# Altium PCB GenPulseBox.PcbDoc (part 1 of 3) (continued)
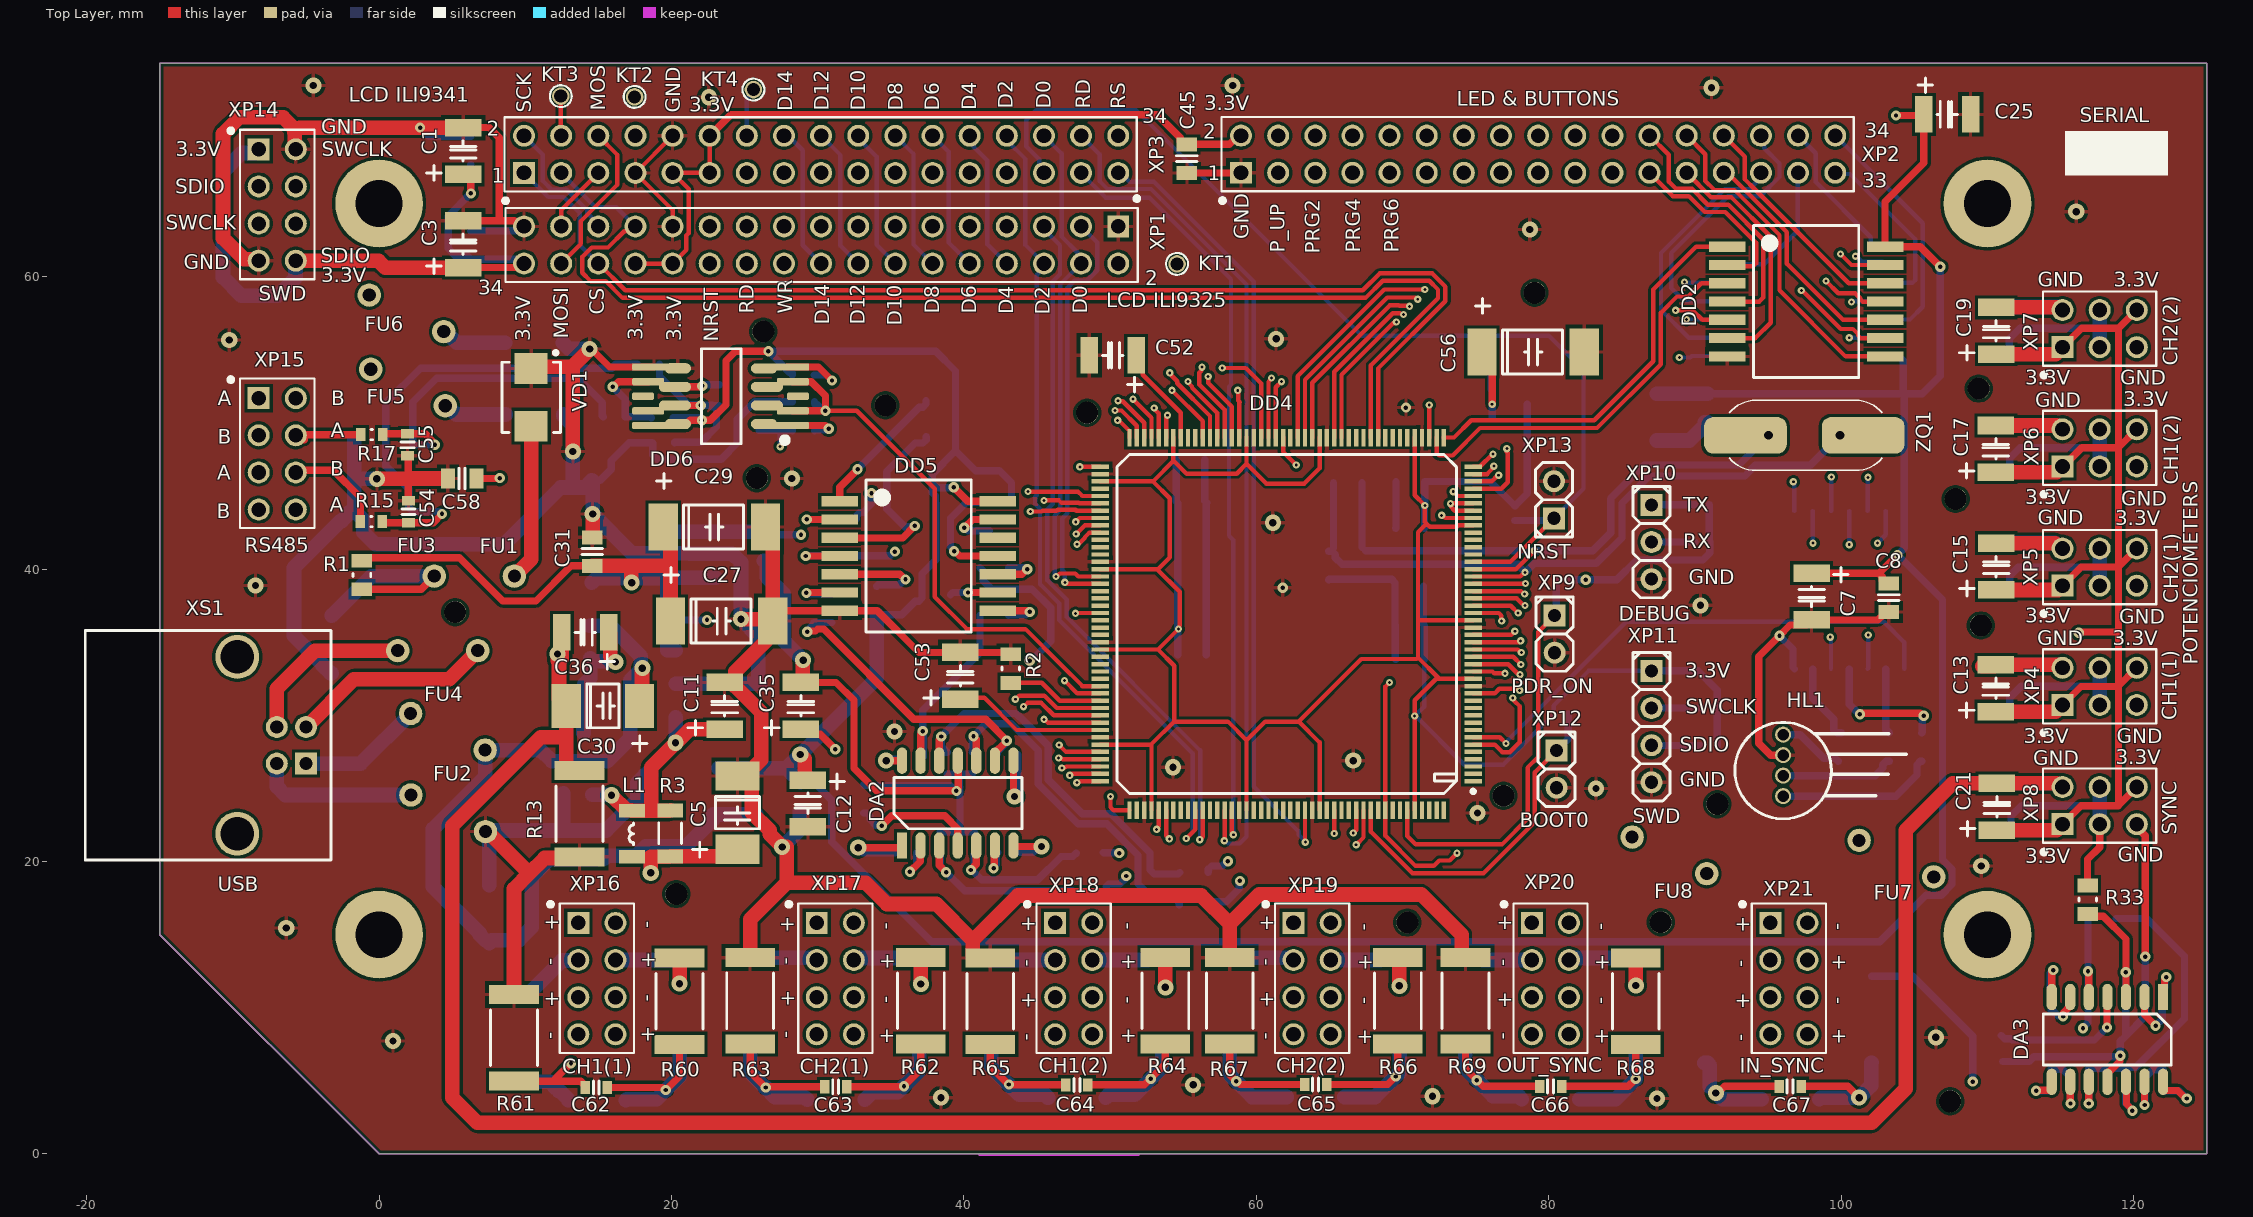
[diagram p0: Top Layer view]
## Components (designator, comment, footprint, x,y, rotation, side; value= is the part's Value field where it differs from the comment) (continued)
R41 "Resistor01" Res0603 119.45,5.1 r0 bottom value=10к
R42 "Resistor01" Res0603 42.475,42.621 r270 bottom value=10к
R43 "Resistor0125" Res0805 117.825,16.1 r90 bottom value=220к
R44 "Resistor01" Res0603 38.375,21.296 r180 bottom value=1,5к
R45 "Resistor01" Res0603 40.7,21.246 r180 bottom value=1,5к
R46 "Resistor01" Res0603 40.575,26.75 r0 bottom value=1,5к
R47 "Resistor01" Res0603 38.85,26.725 r0 bottom value=1,5к
R48 "Resistor01" Res0603 119.45,10.55 r0 bottom value=1,5к
R49 "Resistor01" Res0603 29.021,51.45 r270 bottom value=10к
R50 "Resistor01" Res0603 29.021,49.475 r270 bottom value=3,3к
R51 "Resistor01" Res0603 25.246,49.5 r270 bottom value=6,8к
R52 "Resistor01" Res0603 36.021,20.596 r90 bottom value=4,7к
R53 "Resistor01" Res0603 43.054,20.621 r270 bottom value=4,7к
R54 "Resistor01" Res0603 42.95,27.3 r270 bottom value=4,7к
R55 "Resistor01" Res0603 36.475,27.15 r90 bottom value=4,7к
R56 "Resistor01" Res0603 121.95,10.575 r0 bottom value=4,7к
R57 "Resistor01" Res0603 114.35,10.55 r180 bottom value=10к
R58 "Resistor01" Res0603 114.35,5.075 r0 bottom value=10к
R59 "Resistor01" Res0603 122,5.075 r0 bottom value=10к
R60 "Resistor1" Res2512 20.55,10.45 r0 top value=22
R61 "Resistor1" Res2512 9.225,7.95 r0 top value=22
R62 "Resistor1" Res2512 37.05,10.475 r0 top value=22
R63 "Resistor1" Res2512 25.375,10.475 r0 top value=22
R64 "Resistor1" Res2512 53.775,10.475 r0 top value=22
R65 "Resistor1" Res2512 41.8,10.45 r0 top value=22
R66 "Resistor1" Res2512 69.675,10.475 r0 top value=22
R67 "Resistor1" Res2512 58.175,10.475 r0 top value=22
R68 "Resistor1" Res2512 85.95,10.45 r0 top value=22
R69 "Resistor1" Res2512 74.3,10.475 r0 top value=22
R70 "Resistor1" Res2512 102.075,9.2 r180 bottom value=0,15
R71 "Resistor1" Res2512 90.65,9.175 r180 bottom value=0,15
R72 "Resistor0125" Res0805 103.3,27.825 r0 bottom value=1к
R73 "Resistor0125" Res0805 105.504,27.825 r0 bottom value=1к
R74 "Resistor0125" Res0805 99.8,27.825 r0 bottom value=1к
R75 "Resistor1" Res2512 20.55,10.45 r0 bottom value=22
R76 "Resistor1" Res2512 9.225,7.925 r0 bottom value=22
R77 "Resistor1" Res2512 37.05,10.45 r0 bottom value=22
R78 "Resistor1" Res2512 25.375,10.475 r0 bottom value=22
R79 "Resistor1" Res2512 53.775,10.475 r0 bottom value=22
R80 "Resistor1" Res2512 41.8,10.45 r0 bottom value=22
R81 "Resistor1" Res2512 69.675,10.475 r0 bottom value=22
R82 "Resistor1" Res2512 58.175,10.475 r0 bottom value=22
R83 "Resistor1" Res2512 85.95,10.45 r0 bottom value=22
R84 "Resistor1" Res2512 74.275,10.475 r0 bottom value=22
VD1 "DiodZachitnuy" "SMB_(DO-214AA) KA1-KA2" 10.4,51.75 r270 top value=SMBJ5.0CA
VD2 "DiodZachitnuy" "SMB_(DO-214AA) KA1-KA2" -3.25,34.85 r90 bottom value=SMBJ5.0CA
VD3 "DiodZachitnuy" "SMB_(DO-214AA) KA1-KA2" 7.525,16.4 r270 bottom value=SMBJ5.0CA
VD4 "DiodZachitnuy" "SMB_(DO-214AA) KA1-KA2" 10.6,55.475 r180 bottom value=SMBJ5.0CA
VD5 "DiodZachitnuy" "SMB_(DO-214AA) KA1-KA2" 10.625,50.575 r180 bottom value=SMBJ5.0CA
VD6 "DiodZachitnuy" "SMB_(DO-214AA) KA1-KA2" 0.35,43.921 r0 bottom value=SMBJ5.0CA
VD7 "DiodZachitnuy" "SMB_(DO-214AA) KA1-KA2" 0.325,48.525 r0 bottom value=SMBJ5.0CA
VD8 "Diod2K" "SOT23 2D706AS9" 77.325,51.3 r90 bottom
VD9 "DiodZachitnuy" "SMB_(DO-214AA) KA1-KA2" 14.9,3.675 r0 bottom value=SMBJ5.0CA
VD10 "DiodZachitnuy" "SMB_(DO-214AA) KA1-KA2" 31.25,3.725 r0 bottom value=SMBJ5.0CA
VD11 "DiodZachitnuy" "SMB_(DO-214AA) KA1-KA2" 47.725,3.85 r0 bottom value=SMBJ5.0CA
VD12 "DiodZachitnuy" "SMB_(DO-214AA) KA1-KA2" 64.05,3.9 r0 bottom value=SMBJ5.0CA
VD13 "DiodZachitnuy" "SMB_(DO-214AA) KA1-KA2" 80.125,3.75 r0 bottom value=SMBJ5.0CA
VD14 "DiodZachitnuy" "SMB_(DO-214AA) KA1-KA2" 96.525,3.75 r0 bottom value=SMBJ5.0CA
XP1 "ConnectorP34" PLD-34 30.23,62.17 r270 top value=34
XP2 "ConnectorP34" PLD-34 79.27,68.38 r90 top value=34
XP3 "ConnectorP34" PLD-34 30.23,68.37 r90 top value=34
XP4 "ConnectorP6" PLD-6 117.675,31.981 r90 top value=6
XP5 "ConnectorP6" PLD-6 117.675,40.137 r90 top value=6
XP6 "ConnectorP6" PLD-6 117.675,48.294 r90 top value=6
XP7 "ConnectorP6" PLD-6 117.675,56.45 r90 top value=6
XP8 "ConnectorP6" PLD-6 117.675,23.825 r90 top value=6
XP9 "ConnectorP2" PLS-2 80.4,35.555 r0 top value=2
XP10 "ConnectorP3" PLS-3 87.025,41.855 r0 top value=3
XP11 "ConnectorP4" PLS-4 87.025,29.23 r0 top value=4
XP12 "ConnectorP2" PLS-2 80.535,26.318 r0 top value=2
XP13 "ConnectorP2" PLS-2 80.35,44.745 r180 top value=2
XP14 "ConnectorP8" PLD-8 -6.97,64.905 r0 top value=8
XP15 "ConnectorP8" PLD-8 -6.97,47.883 r0 top value=8
XP16 "ConnectorP8" PLD-8 14.895,11.995 r0 top value=8
XP17 "ConnectorP8" PLD-8 31.2,11.995 r0 top value=8
XP18 "ConnectorP8" PLD-8 47.505,11.995 r0 top value=8
XP19 "ConnectorP8" PLD-8 63.81,11.995 r0 top value=8
XP20 "ConnectorP8" PLD-8 80.115,11.995 r0 top value=8
XP21 "ConnectorP8" PLD-8 96.42,11.995 r0 top value=8
XS1 "ConnectorS4_USB_B" USB_B -7,29.2 r270 top
ZQ1 "Quartz" HC-49SM_U 97.475,49.15 r90 top value="8 МГц"

## Footprints (in the part's own frame and the unit in brackets; to place one, negate y for a bottom-side part, rotate by r counter-clockwise, add the part's x,y. Pads: shape width x height; smd on the part's side, far side on the other; paste and mask are expansions set on the pad)
401.14-5 [mm]
  rect 2.5x0.7 smd mask+0.05: 1(-5.4,3.75) 2(-5.4,2.5) 3(-5.4,1.25) 4(-5.4,0) 5(-5.4,-1.25) 6(-5.4,-2.5) 7(-5.4,-3.75) 8(5.4,-3.75) 9(5.4,-2.5) 10(5.4,-1.25) 11(5.4,0) 12(5.4,1.25) 13(5.4,2.5) 14(5.4,3.75)
  silkscreen extent -3.6,-5.2 3.6,5.2, body extent -6.65,-4.98 6.65,5.02, height 2.65
BL-L515 [mm]
  round 1.1 hole 0.8: 1(0,0) 2(1.4,0) 3(2.8,0) 4(4.2,0)
  silkscreen extent -1.55,-3.3 5.05,3.3, body extent -1.27,-2.95 4.63,2.95, height 9.1
Cap0603 [mm] "Chip Capacitor, 2-Leads, Body 1,60x0,80mm, IPC Medium Density"
  rect 0.9x0.65 smd: 1(0,0.75) 2(0,-0.75)
  silkscreen extent -0.45,-0.2 0.45,0.2, body extent -0.4,-0.8 0.4,0.8, height 0.78
Cap0805 [mm] "Chip Capacitor, 2-Leads, Body 2,00x1,25mm, IPC Medium Density"
  rect 1.4x0.95 smd: 1(0,0.975) 2(0,-0.975)
  silkscreen extent -0.7,-0.2 0.7,0.2, body extent -0.62,-1 0.63,1, height 0.58
CapCaseB [mm]
  rect 2.5x1.2 smd: 1(0,1.6) 2(0,-1.6)
  silkscreen extent -2.5,-2 0.87,0.7, body extent -1.47,-1.85 1.46,1.85, height 2.03
CapCaseC [mm]
  rect 3x2 smd: 1(0,2.5) 2(0,-2.5)
  silkscreen extent -3.08,-3.02 1.5,1.1, body extent -1.75,-3.15 1.75,3.15, height 2.8
CapCaseD [mm]
  rect 3.2x2 smd: 1(0,3.5) 2(0,-3.5)
  silkscreen extent -3.65,-3.95 1.5,2, body extent -2.3,-3.8 2.3,3.8, height 3.1
H02.8-1B_SOIC8 [mm]
  rrect50% 3x0.5 smd: 1(-4.55,1.9) 4(-4.55,-2.1) 5(4.55,-2.1) 8(4.55,1.9)
  oval 1.8x0.7 smd: 1(-2.975,1.8) 4(-2.975,-2) 5(2.925,-2.01) 8(2.925,1.8)
  rrect50% 2.2x0.5 smd: 2(-4.95,0.9) 3(-4.95,-1.1) 6(4.95,-1.1) 7(4.95,0.9)
  oval 2.2x0.7 smd: 2(-3.175,0.53) 3(-3.175,-0.74) 6(3.125,-0.74) 7(3.125,0.53)
  rrect50% 1.5x0.5 smd: 9(-5.3,-0.1) 10(5.3,-0.1)
  silkscreen extent -4.6,-3.35 1.3,3.15, body extent -6.01,-3.35 5.99,3.15, height 2.9
HC-49SM_U [mm]
  rrect50% 2.5x4.5 smd: 1(0,4.6) 2(0,-4.6)
  rrect50% 2.5x2.5 hole 0.6: 1(0,2.45) 2(0,-2.45)
  silkscreen extent -2.4,-5.34 2.4,5.14, body extent -2.5,-5.61 2.5,5.74, height 3.8
Ind1206 [mm] "Chip Inductor, 2-Leads, Body 3,20x1,60mm, IPC Medium Density"
  rect 1.75x0.95 smd: 1(0,1.575) 2(0,-1.575)
  silkscreen extent -0.1,-0.75 0.2,0.75, body extent -0.8,-1.6 0.8,1.6, height 0.6
LQFP176 [mm] "LQFP176 H=1.6"
  rect 1.2x0.3 smd: 1(-12.75,10.75) 2(-12.75,10.25) 3(-12.75,9.75) 4(-12.75,9.25) 5(-12.75,8.75) 6(-12.75,8.25) 7(-12.75,7.75) 8(-12.75,7.25) 9(-12.75,6.75) 10(-12.75,6.25) 11(-12.75,5.75) 12(-12.75,5.25) 13(-12.75,4.75) 14(-12.75,4.25) 15(-12.75,3.75) 16(-12.75,3.25) 17(-12.75,2.75) 18(-12.75,2.25) 19(-12.75,1.75) 20(-12.75,1.25) 21(-12.75,0.75) 22(-12.75,0.25) 23(-12.75,-0.25) 24(-12.75,-0.75) 25(-12.75,-1.25) 26(-12.75,-1.75) 27(-12.75,-2.25) 28(-12.75,-2.75) 29(-12.75,-3.25) 30(-12.75,-3.75) 31(-12.75,-4.25) 32(-12.75,-4.75) 33(-12.75,-5.25) 34(-12.75,-5.75) 35(-12.75,-6.25) 36(-12.75,-6.75) 37(-12.75,-7.25) 38(-12.75,-7.75) 39(-12.75,-8.25) 40(-12.75,-8.75) 41(-12.75,-9.25) 42(-12.75,-9.75) 43(-12.75,-10.25) 44(-12.75,-10.75) 89(12.75,-10.75) 90(12.75,-10.25) 91(12.75,-9.75) 92(12.75,-9.25) 93(12.75,-8.75) 94(12.75,-8.25) 95(12.75,-7.75) 96(12.75,-7.25) 97(12.75,-6.75) 98(12.75,-6.25) 99(12.75,-5.75) 100(12.75,-5.25) 101(12.75,-4.75) 102(12.75,-4.25) 103(12.75,-3.75) 104(12.75,-3.25) 105(12.75,-2.75) 106(12.75,-2.25) 107(12.75,-1.75) 108(12.75,-1.25) 109(12.75,-0.75) 110(12.75,-0.25) 111(12.75,0.25) 112(12.75,0.75) 113(12.75,1.25) 114(12.75,1.75) 115(12.75,2.25) 116(12.75,2.75) 117(12.75,3.25) 118(12.75,3.75) 119(12.75,4.25) 120(12.75,4.75) 121(12.75,5.25) 122(12.75,5.75) 123(12.75,6.25) 124(12.75,6.75) 125(12.75,7.25) 126(12.75,7.75) 127(12.75,8.25) 128(12.75,8.75) 129(12.75,9.25) 130(12.75,9.75) 131(12.75,10.25) 132(12.75,10.75)
  rect 0.3x1.2 smd: 45(-10.75,-12.75) 46(-10.25,-12.75) 47(-9.75,-12.75) 48(-9.25,-12.75) 49(-8.75,-12.75) 50(-8.25,-12.75) 51(-7.75,-12.75) 52(-7.25,-12.75) 53(-6.75,-12.75) 54(-6.25,-12.75) 55(-5.75,-12.75) 56(-5.25,-12.75) 57(-4.75,-12.75) 58(-4.25,-12.75) 59(-3.75,-12.75) 60(-3.25,-12.75) 61(-2.75,-12.75) 62(-2.25,-12.75) 63(-1.75,-12.75) 64(-1.25,-12.75) 65(-0.75,-12.75) 66(-0.25,-12.75) 67(0.25,-12.75) 68(0.75,-12.75) 69(1.25,-12.75) 70(1.75,-12.75) 71(2.25,-12.75) 72(2.75,-12.75) 73(3.25,-12.75) 74(3.75,-12.75) 75(4.25,-12.75) 76(4.75,-12.75) 77(5.25,-12.75) 78(5.75,-12.75) 79(6.25,-12.75) 80(6.75,-12.75) 81(7.25,-12.75) 82(7.75,-12.75) 83(8.25,-12.75) 84(8.75,-12.75) 85(9.25,-12.75) 86(9.75,-12.75) 87(10.25,-12.75) 88(10.75,-12.75) 133(10.75,12.75) 134(10.25,12.75) 135(9.75,12.75) 136(9.25,12.75) 137(8.75,12.75) 138(8.25,12.75) 139(7.75,12.75) 140(7.25,12.75) 141(6.75,12.75) 142(6.25,12.75) 143(5.75,12.75) 144(5.25,12.75) 145(4.75,12.75) 146(4.25,12.75) 147(3.75,12.75) 148(3.25,12.75) 149(2.75,12.75) 150(2.25,12.75) 151(1.75,12.75) 152(1.25,12.75) 153(0.75,12.75) 154(0.25,12.75) 155(-0.25,12.75) 156(-0.75,12.75) 157(-1.25,12.75) 158(-1.75,12.75) 159(-2.25,12.75) 160(-2.75,12.75) 161(-3.25,12.75) 162(-3.75,12.75) 163(-4.25,12.75) 164(-4.75,12.75) 165(-5.25,12.75) 166(-5.75,12.75) 167(-6.25,12.75) 168(-6.75,12.75) 169(-7.25,12.75) 170(-7.75,12.75) 171(-8.25,12.75) 172(-8.75,12.75) 173(-9.25,12.75) 174(-9.75,12.75) 175(-10.25,12.75) 176(-10.75,12.75)
  silkscreen extent -12.88,-11.6 11.6,11.6, body extent -13.05,-13.05 13.05,13.05, height 1.45
MF-R50 [mm]
  round 1.6 hole 0.9: 1(-2.55,0) 2(2.55,-2.5)
  body extent -3.97,-2.77 3.92,0.27, height 13.95
MF-R185 [mm]
  round 1.6 hole 0.9: 1(-2.55,0) 2(2.55,-2.5)
  body extent -6.03,-2.77 5.97,0.27, height 16
PLD-6 [mm]
  rect 1.5x1.5 hole 1 mask+0: 1(-1.27,2.54)
  round 1.5 hole 1 mask+0: 2(1.27,2.54) 3(-1.27,0) 4(1.27,0) 5(-1.27,-2.54) 6(1.27,-2.54)
  silkscreen extent -3.32,-3.88 2.54,3.96, body extent -2.5,-3.81 2.5,3.81, height 8.5
PLD-8 [mm]
  rect 1.5x1.5 hole 1 mask+0: 1(-1.27,3.81)
  round 1.5 hole 1 mask+0: 2(1.27,3.81) 3(-1.27,1.27) 4(1.27,1.27) 5(-1.27,-1.27) 6(1.27,-1.27) 7(-1.27,-3.81) 8(1.27,-3.81)
  silkscreen extent -3.32,-5.08 2.54,5.23, body extent -2.5,-5.08 2.5,5.08, height 8.5
PLD-34 [mm]
  rect 1.5x1.5 hole 1 mask+0: 1(-1.27,20.32)
  round 1.5 hole 1 mask+0: 2(1.27,20.32) 3(-1.27,17.78) 4(1.27,17.78) 5(-1.27,15.24) 6(1.27,15.24) 7(-1.27,12.7) 8(1.27,12.7) 9(-1.27,10.16) 10(1.27,10.16) 11(-1.27,7.62) 12(1.27,7.62) 13(-1.27,5.08) 14(1.27,5.08) 15(-1.27,2.54) 16(1.27,2.54) 17(-1.27,0) 18(1.27,0) 19(-1.27,-2.54) 20(1.27,-2.54) 21(-1.27,-5.08) 22(1.27,-5.08) 23(-1.27,-7.62) 24(1.27,-7.62) 25(-1.27,-10.16) 26(1.27,-10.16) 27(-1.27,-12.7) 28(1.27,-12.7) 29(-1.27,-15.24) 30(1.27,-15.24) 31(-1.27,-17.78) 32(1.27,-17.78) 33(-1.27,-20.32) 34(1.27,-20.32)
  silkscreen extent -3.32,-21.59 2.54,21.74, body extent -2.5,-21.59 2.5,21.59, height 8.5
PLS-2 [mm]
  rect 1.5x1.5 hole 0.9: 1(0,1.27)
  round 1.5 hole 0.9: 2(0,-1.27)
  silkscreen extent -1.27,-2.54 1.27,2.54, body extent -1.27,-2.54 1.27,2.54, height 8.44
PLS-3 [mm]
  rect 1.5x1.5 hole 0.9: 1(0,2.54)
  round 1.5 hole 0.9: 2(0,0) 3(0,-2.54)
  silkscreen extent -1.27,-3.81 1.27,3.81, body extent -1.27,-3.81 1.27,3.81, height 8.44
PLS-4 [mm]
  rect 1.5x1.5 hole 0.9: 1(0,3.81)
  round 1.5 hole 0.9: 2(0,1.27) 3(0,-1.27) 4(0,-3.81)
  silkscreen extent -1.27,-5.08 1.27,5.08, body extent -1.27,-5.08 1.27,5.08, height 8.44
Res0402 [mm] "Chip Resistor, 2-Leads, Body 1,00x0,50mm, IPC Medium Density"
  rect 0.55x0.5 smd: 1(0,0.5) 2(0,-0.5)
  silkscreen extent -0.28,-0.1 0.27,0.1, body extent -0.25,-0.5 0.25,0.5, height 0.4
Res0603 [mm] "Chip Resistor, 2-Leads, Body 1,60x0,80mm, IPC Medium Density"
  rect 0.9x0.65 smd: 1(0,0.75) 2(0,-0.75)
  silkscreen extent -0.35,-0.05 0.35,0.05, body extent -0.4,-0.8 0.4,0.8, height 0.5
Res0805 [mm] "Chip Resistor, 2-Leads, Body 2,00x1,25mm, IPC Medium Density"
  rect 1.4x0.95 smd: 1(0,0.975) 2(0,-0.975)
  silkscreen extent -0.6,-0.1 0.6,0.1, body extent -0.63,-1 0.63,1, height 0.43
Res1206 [mm] "Chip Resistor, 2-Leads, Body 3,20x1,60mm, IPC Medium Density"
  rect 1.75x0.95 smd: 1(0,1.575) 2(0,-1.575)
  silkscreen extent -0.77,-0.7 0.77,0.7, body extent -0.8,-1.6 0.8,1.6, height 0.6
Res2512 [mm] "Chip Resistor, 2-Leads, Body 6,30x3,20mm, IPC Medium Density"
  rect 3.4x1.3 smd: 1(0,2.95) 2(0,-2.95)
  silkscreen extent -1.6,-1.9 1.6,1.9, body extent -1.58,-3.15 1.58,3.15, height 0.55
"SMB_(DO-214AA) KA1-KA2" [mm] "SODFL, 2-Leads, Body 3,63x5,34mm, IPC Medium Density"
  rect 2.1x2.25 smd: KA1(-1.975,0) KA2(1.975,0)
  silkscreen extent -3.17,-2 2.4,2, body extent -2.65,-1.8 2.65,1.8, height 2.43
SOIC14 [mm]
  rect 1.8x0.7 smd paste+0: 1(-2.9,3.81)
  oval 1.8x0.7 smd paste+0: 2(-2.9,2.54) 3(-2.9,1.27) 4(-2.9,0) 5(-2.9,-1.27) 6(-2.9,-2.54) 7(-2.9,-3.81) 8(2.9,-3.81) 9(2.9,-2.54) 10(2.9,-1.27) 11(2.9,0) 12(2.9,1.27) 13(2.9,2.54) 14(2.9,3.81)
  silkscreen extent -1.75,-4.39 1.75,4.37, body extent -3,-4.37 3,4.38, height 1.75
"SOT23 2D706AS9" [mm]
  rect 0.6x1 smd: A(0,1.2) K1(-0.95,-1.2) K2(0.95,-1.2)
  silkscreen extent -1.92,-1.32 1.5,0.7, body extent -1.45,-1.4 1.45,1.4, height 1.3
SOT223 [mm] "SOT223, 4-Leads, Body 6,50x7,00mm (avg), Pitch 2,30mm, IPC Medium Density"
  rect 2.4x1 smd: 1(-2.9,2.3) 2(-2.9,0) 3(-2.9,-2.3)
  rect 2.4x3.3 smd: 4(2.9,0)
  silkscreen extent -3.02,-3.35 1.4,3.47, body extent -3.44,-3.25 3.49,3.25, height 1.64
TESTPOINT [mm]
  round 1.2 hole 0.9: 1(0,0)
  silkscreen extent -0.75,-0.75 0.75,0.75
USB_B [mm]
  rect 1.5x1.5 hole 0.9: 1(2.5,2)
  round 1.5 hole 0.9: 2(0,2) 3(0,0) 4(2.5,0)
  round 3 hole 2.3: ""(-4.8,-2.7) ""(7.3,-2.7)
  silkscreen extent -6.6,-13.1 9.1,3.7, body extent -6.2,-13 8.7,3.6, height 11.25

## Part data
C1 C3 C7 C11 C12 C13 C15 C17 C19 C21 C25 C33 C35 C36: library part 2164, Manufacturer="АО «НИИ ГИРИКОНД»", ManufacturerTU=АЖЯР.673546.001ТУ, Package="K2 (Case B)", PartNumber="К53-56А-16 В-4,7 мкФ±20 %", SolderTemperature=265, TemperatureRange="от минус 60 до 125", VoltageLimit=16, Alternative="Case B 4,7 мкФ, 16 В, ±20 %", Alternative2="К53-56А-16 В-4,7 мкФ±20 % В АДПК.673546.005ТУ", CardKRR=67, ComponentLink1Description=К53-56А, ComponentLink1URL=\\192.168.0.253\U_Base\PDF\C\K53-56.pdf, DataSheet=#\\192.168.0.253\U_Base\PDF\C\К53-56А.pdf#, Group=Конденсаторы, HelpURL=\\192.168.0.253\U_Base\PDF\C\K53-56.pdf, Key=2164, MilitaryControl=ВП, Modify=13.03.2019, MountType=ПМ, Name=К53-56А, SolderName=K53-56A-16V-4.7mkF, ViewControl="В, 10%", X_SORT_1=100, X_SORT_2=200, X_SORT_3=1
C2 C4 C8 C9 C10 C23 C24 C26 C31 C32 C34 C37 C38 C39 C40 C41 C42 C43 C44 C45 C46 C47 C48 C57 C58 C59 C60 C61: library part 2161, Manufacturer="ОАО «ВЗРД Монолит»", ManufacturerTU=ФЦТА.673516.016ТУ, Package="0805 (2012)", PartNumber="К10-84в-2012М-50 В-Н90-0,1 мкФ+80 %-20 %-N-A", SolderTemperature=175, TemperatureRange="от минус 60 до 85", VoltageLimit=50, Alternative="0805 0,1 мкФ, 50 В, ±10 %", CardKRR=67, ComponentLink1Description=К10-84, ComponentLink1URL=\\192.168.0.253\U_Base\PDF\C\K10-84.pdf, DataSheet=#\\192.168.0.253\U_Base\PDF\C\K10-84.pdf#, Group=Конденсаторы, HelpURL=\\192.168.0.253\U_Base\PDF\C\K10-84.pdf, Key=2161, MilitaryControl=ВП, Modify=13.03.2019, MountType=ПМ, Name=К10-84в, SolderName=K10-84v-2012M-50V-N90-0,1mkF, ViewControl="В, 10%", X_SORT_1=100, X_SORT_2=200, X_SORT_3=1
C5 C6 C30: library part 2172, Manufacturer="АО «НИИ ГИРИКОНД»", ManufacturerTU=АЖЯР.673546.001ТУ, Package="K3 (Case С)", PartNumber="К53-56А-16 В-22 мкФ±20 %", SolderTemperature=265, TemperatureRange="от минус 60 до 125", VoltageLimit=16, Alternative="Case C 22 мкФ, 16 В, ±20 %", Alternative2="К53-56А-16 В-22 мкФ±20 % В АДПК.673546.005ТУ", CardKRR=67, ComponentLink1Description=К53-56А, ComponentLink1URL=\\192.168.0.253\U_Base\PDF\C\K53-56.pdf, DataSheet=#\\192.168.0.253\U_Base\PDF\C\К53-56А.pdf#, Group=Конденсаторы, HelpURL=\\192.168.0.253\U_Base\PDF\C\K53-56.pdf, Key=2172, MilitaryControl=ВП, Modify=13.03.2019, MountType=ПМ, Name=К53-56А, SolderName=K53-56A-16V-22mkF, ViewControl="В, 10%", X_SORT_1=100, X_SORT_2=200, X_SORT_3=1
C14 C16 C18 C20 C22 C52 C53: library part 2166, Manufacturer="АО «НИИ ГИРИКОНД»", ManufacturerTU=АЖЯР.673546.001ТУ, Package="K2 (Case B)", PartNumber="К53-56А-25 В-2,2 мкФ±20 %", SolderTemperature=265, TemperatureRange="от минус 60 до 125", VoltageLimit=25, Alternative="Case B 2,2 мкФ, 25 В, ±20 %", Alternative2="К53-56А-25 В-2,2 мкФ±20 % В АДПК.673546.005ТУ", CardKRR=67, ComponentLink1Description=К53-56А, ComponentLink1URL=\\192.168.0.253\U_Base\PDF\C\K53-56.pdf, DataSheet=#\\192.168.0.253\U_Base\PDF\C\К53-56А.pdf#, Group=Конденсаторы, HelpURL=\\192.168.0.253\U_Base\PDF\C\K53-56.pdf, Key=2166, MilitaryControl=ВП, Modify=13.03.2019, MountType=ПМ, Name=К53-56А, SolderName=K53-56A-25V-2.2mkF, ViewControl="В, 10%", X_SORT_1=100, X_SORT_2=200, X_SORT_3=1
C27 C28 C29 C56: library part 2249, Manufacturer="АО «НИИ ГИРИКОНД»", ManufacturerTU=АЖЯР.673546.006ТУ, Package="K3 (Case D)", PartNumber="К53-67-10 В-330 мкФ±10 %", SolderTemperature=265, TemperatureRange="от минус 60 до 125", VoltageLimit=32, Alternative="Case D 330 мкФ, 10 В, ±10 %", CardKRR=67, ComponentLink1Description=К53-67, Group=Конденсаторы, Key=2249, MilitaryControl=ВП, Modify=13.03.2019, MountType=ПМ, Name=К53-67, SolderName=K53-67-10V-330mkF, ViewControl="В, 10%", X_SORT_1=100, X_SORT_2=200, X_SORT_3=1
C49: library part 2796, Manufacturer="АО \"НИИ \"ГИРИКОНД\"", ManufacturerTU=АЖЯР.673511.002ТУ, PartNumber="К10-69в-Н90-50 В-2012М-0,01 мкФ+80/-20 %-N", TemperatureRange="от минус 60 до 85", Alternative="0805 0,01 мкФ, 50 В, ±10 %", CardKRR=67, ComponentLink1URL=\\192.168.0.253\U_Base\PDF\C\K10-69.pdf, DataSheet=\\192.168.0.253\U_Base\PDF\C\K10-69.pdf, Group=Конденсаторы, HelpURL=\\192.168.0.253\U_Base\PDF\C\K10-69.pdf, Key=2796, MilitaryControl=ВП, Modify=03.02.2020, MountType=ПМ, Name=К10-69в, SolderName=K10-69v-N90-50V-2012M-0.01mkF, ViewControl="В, 10%", X_SORT_1=1, X_SORT_2=1, X_SORT_3=1
C50 C51: library part 2141, Manufacturer="ОАО «ВЗРД Монолит»", ManufacturerTU=ФЦТА.673516.016ТУ, Package="0805 (2012)", PartNumber="К10-84в-2012М-100 В-МП0-16 пФ±10 %-N-A", SolderTemperature=175, TemperatureRange="от минус 60 до 85", VoltageLimit=100, Alternative="0805 16 пФ, 100 В, ±10 %", CardKRR=67, ComponentLink1Description=К10-84, ComponentLink1URL=\\192.168.0.253\U_Base\PDF\C\K10-84.pdf, DataSheet=#\\192.168.0.253\U_Base\PDF\C\K10-84.pdf#, Group=Конденсаторы, HelpURL=\\192.168.0.253\U_Base\PDF\C\K10-84.pdf, Key=2141, MilitaryControl=ВП, Modify=13.03.2019, MountType=ПМ, Name=К10-84в, SolderName=K10-84v-2012M-100V-MP0-16pF, ViewControl="В, 10%", X_SORT_1=100, X_SORT_2=200, X_SORT_3=1
C54 C55 C62 C63 C64 C65 C66 C67: library part 2111, Manufacturer="ОАО «ВЗРД Монолит»", ManufacturerTU=ФЦТА.673516.016ТУ, Package="0603 (1608)", PartNumber="К10-84в-1608М-100 В-МП0-10 пФ±10 %-N-A", SolderTemperature=175, TemperatureRange="от минус 60 до 85", VoltageLimit=100, Alternative="0603 10 пФ, 100 В, ±10 %", CardKRR=67, ComponentLink1Description=К10-84, ComponentLink1URL=\\192.168.0.253\U_Base\PDF\C\K10-84.pdf, DataSheet=#\\192.168.0.253\U_Base\PDF\C\K10-84.pdf#, Group=Конденсаторы, HelpURL=\\192.168.0.253\U_Base\PDF\C\K10-84.pdf, Key=2111, MilitaryControl=ВП, Modify=13.03.2019, MountType=ПМ, Name=К10-84в, SolderName=K10-84v-1608M-100V-MP0-10pF, ViewControl="В, 10%", X_SORT_1=100, X_SORT_2=200, X_SORT_3=1
DA1: library part 112, Manufacturer="Texas Instruments", PartNumber=LM2937IMP-3.3/NOPB, TemperatureRange="от минус 40 до 125", VoltageLimit=26, CardKRR=64, Group=Микросхемы, Key=112, MilitaryControl=ОТК, Modify=12.11.2020, MountType=ПМ, Name=LM2937IMP-3.3/NOPB, SolderName=LM2937IMP-3.3/NOPB, ViewControl="В, 100%", X_SORT_1=200, X_SORT_2=401, X_SORT_3=1
DA2 DA3: library part 71, Manufacturer="Analog Devices", Package=SOIC14, PartNumber=AD8044ARZ-14, TemperatureRange="от минус 40 до 85", CardKRR=63, ComponentLink1URL=\\192.168.0.253\U_Base\PDF\D\AD8044.pdf, DataSheet=#\\192.168.0.253\U_Base\PDF\D\AD8044.pdf#, Group=Микросхемы, HelpURL=\\192.168.0.253\U_Base\PDF\D\AD8044.pdf, Key=71, MilitaryControl=ОТК, Modify=14.03.2019, MountType=ПМ, Name=AD8044ARZ-14, Notice="Analog Devices", SolderName=AD8044ARZ-14, ViewControl="В, 100%", X_SORT_1=200, X_SORT_2=401, X_SORT_3=1
DD1 DD2 DD3 DD5: library part 4, CurrentLimit=0,0038, Manufacturer="ОАО «ИНТЕГРАЛ»", ManufacturerTU=бК0.347.364-01ТУ, Package=401.14-5, PartNumber=1533ЛН1, TemperatureRange="от минус 60 до 125", CardKRR=65, ComponentLink1URL=\\192.168.0.101\U_Base\PDF\D\1533ЛН1.pdf, DataSheet=#\\192.168.0.101\U_Base\PDF\D\1533ЛН1.pdf#, Group=Микросхемы, HelpURL=\\192.168.0.101\U_Base\PDF\D\1533ЛН1.pdf, Key=4, MilitaryControl=ВП, Modify=14.03.2019, MountType=РМ, Name=1533ЛН1, SolderName=1533LN1, ViewControl="В, 100%", X_SORT_1=200, X_SORT_2=400, X_SORT_3=1
DD4: library part 109, Manufacturer=STMicroelectronics, TemperatureRange="от минус 40 до 85", CardKRR=64б, ComponentLink1URL="\\192.168.0.253\U_Base\PDF\D\STM32F407IGT6 LQFP176.pdf", DataSheet="#\\192.168.0.253\U_Base\PDF\D\STM32F407IGT6 LQFP176.pdf#", Group=Микросхемы, HelpURL="\\192.168.0.253\U_Base\PDF\D\STM32F407IGT6 LQFP176.pdf", Key=109, MilitaryControl=ОТК, Modify=15.03.2021, MountType=ПМ, Name=STM32F407IGT6, PartNumber=STM32F407IGT6, SolderName=STM32F407IGT6, ViewControl="В, 100%", X_SORT_1=201, X_SORT_2=401, X_SORT_3=A
DD6: library part 53, CurrentLimit=0,25, Manufacturer="АО «ПКК МИЛАНДР»", ManufacturerTU=АЕЯР.431230.645ТУ, Package=H02.8-1B, PartNumber=5559ИН10АУ, TemperatureRange="от минус 60 до 125", Alternative="К5559ИН10АУ ТСКЯ.431323.002СП", Alternative2=MAX13085EESA+T, CardKRR=65, ComponentLink1URL=\\192.168.0.253\U_Base\PDF\D\5559ИН10АУ.pdf, DataSheet=#\\192.168.0.253\U_Base\PDF\D\5559ИН10АУ.pdf#, Group=Микросхемы, HelpURL=\\192.168.0.253\U_Base\PDF\D\5559ИН10АУ.pdf, Key=53, MilitaryControl=ВП, Modify=27.03.2019, MountType=РМ, Name=5559ИН10АУ, SolderName=5559IN10AU, ViewControl="В, 100%", X_SORT_1=200, X_SORT_2=400, X_SORT_3=1
FU1 FU3 FU5 FU6 FU7 FU8: library part 65, Manufacturer=Bourns, PartNumber="Предохранитель MF-R050, 0.5 A", TemperatureRange="от минус 40 до 85", CardKRR=87, ComponentLink1URL=\\192.168.0.101\U_Base\PDF\OTHER\MF-Rxxx.pdf, DataSheet=#\\192.168.0.101\U_Base\PDF\OTHER\MF-Rxxx.pdf#, Group=Предохранитель, HelpURL=\\192.168.0.101\U_Base\PDF\OTHER\MF-Rxxx.pdf, Key=65, Mass=0,1, MilitaryControl=ОТК, Modify=05.12.2022, MountType=РМ, Name="MF-R050, 0.5 A", SolderName=MF-R050,0.5A, ViewControl=В,100%
FU2 FU4: library part 67, Manufacturer=Bourns, PartNumber="Предохранитель MF-R185, 1.85 A", TemperatureRange="от минус 40 до 85", CardKRR=87, ComponentLink1URL=\\192.168.0.101\U_Base\PDF\OTHER\MF-Rxxx.pdf, DataSheet=#\\192.168.0.101\U_Base\PDF\OTHER\MF-Rxxx.pdf#, Group=Предохранитель, HelpURL=\\192.168.0.101\U_Base\PDF\OTHER\MF-Rxxx.pdf, Key=67, Mass=0,1, MilitaryControl=ОТК, Modify=05.12.2022, MountType=РМ, Name="MF-R185, 1.85 A", SolderName=MF-R185,1.85A, ViewControl=В,100%
HL1: library part 90, "Светодиод RGB с общим анодом BL-L515RGBW-CA", Manufacturer="Betlux Electronics", Package=6mm, PartNumber="Светодиод BL-L515RGBW-CС", ComponentLink1Description=BL-L515, ComponentLink1URL="\\192.168.0.101\U_Base\PDF\V\BetLux Electronics.pdf", DataSheet="#\\192.168.0.101\U_Base\PDF\V\BetLux Electronics.pdf#", Group=Светодиоды, HelpURL="\\192.168.0.101\U_Base\PDF\V\BetLux Electronics.pdf", Key=90, MilitaryControl=ОТК, Modify=14.03.2019, MountType=РМ, Name=BL-L515, Notice="Betlux Electronics", SolderName=BL-L515, ViewControl="В, 10%", X_SORT_1=500, X_SORT_2=301, X_SORT_3=1
KT1 KT2 KT3 KT4: library part 4, PartNumber=Контакт, Key=4, SolderName=Kontakt
L1 L2 L3 L4: library part 4177, CurrentLimit=1,5, Manufacturer=Murata, Package="1206 (3216)", PartNumber=BLM31PG601SH1, TemperatureRange="от минус 55 до 125", CardKRR=86, ComponentLink1URL=\\192.168.0.253\U_Base\PDF\L\BLM31PG.pdf, DataSheet=#\\192.168.0.253\U_Base\PDF\L\BLM31PG.pdf#, Group=Индуктивности, HelpURL=\\192.168.0.253\U_Base\PDF\L\BLM31PG.pdf, Key=4177, Mass=0,025, MilitaryControl=ОТК, Modify=20.02.2019, MountType=ПМ, Name=BLM31PG601SH1, Notice=Murata, SolderName=BLM31PG601SH1, ViewControl="В, 10%", X_SORT_1=300, X_SORT_2=701, X_SORT_3=1
R1: library part 2960, Manufacturer="АО «НПО «Эркон»", ManufacturerTU=ОЖ0.467.164ТУ, Package="0805 (2012)", PartNumber="Р1-8В-0,125-1,5 кОм±5 %-Т-А", PowerLimit=0,125, SolderTemperature=255, TemperatureRange="от минус 65 до 155", VoltageLimit=150, Alternative="0805 1,5 кОм, 0,125 Вт, ±5 %", Alternative2="Р1-8В-0,125-1,5 кОм±5 %-Т-А ОЖ0.467.164ТУ", CardKRR=68, ComponentLink1Description=Р1-8В, ComponentLink1URL=\\192.168.0.101\U_Base\PDF\R\Р1-8В.pdf, DataSheet=#\\192.168.0.101\U_Base\PDF\R\Р1-8В.pdf#, Group=Резисторы, HelpURL=\\192.168.0.101\U_Base\PDF\R\Р1-8В.pdf, Key=2960, Mark=152, Mass=0,006, MilitaryControl=ВП, Modify=28.06.2019, MountType=ПМ, Name=Р1-8В, SolderName=R1-8B-0.125-1.5kOm, ViewControl="В, 10%", X_SORT_1=400, X_SORT_2=100, X_SORT_3=1
R2: library part 2965, Manufacturer="АО «НПО «Эркон»", ManufacturerTU=ОЖ0.467.164ТУ, Package="0805 (2012)", PartNumber="Р1-8В-0,125-100 кОм±5 %-Т-А", PowerLimit=0,125, SolderTemperature=255, TemperatureRange="от минус 65 до 155", VoltageLimit=150, Alternative="0805 100 кОм, 0,125 Вт, ±5 %", Alternative2="Р1-8В-0,125-100 кОм±5 %-Т-А ОЖ0.467.164ТУ", CardKRR=68, ComponentLink1Description=Р1-8В, ComponentLink1URL=\\192.168.0.101\U_Base\PDF\R\Р1-8В.pdf, DataSheet=#\\192.168.0.101\U_Base\PDF\R\Р1-8В.pdf#, Group=Резисторы, HelpURL=\\192.168.0.101\U_Base\PDF\R\Р1-8В.pdf, Key=2965, Mark=104, Mass=0,006, MilitaryControl=ВП, Modify=28.06.2019, MountType=ПМ, Name=Р1-8В, SolderName=R1-8B-0.125-100kOm, ViewControl="В, 10%", X_SORT_1=400, X_SORT_2=100, X_SORT_3=1